# Altium PCB Z693_H93-A_KD01_V1.3_X6.PcbDoc (part 1 of 7) (continued)
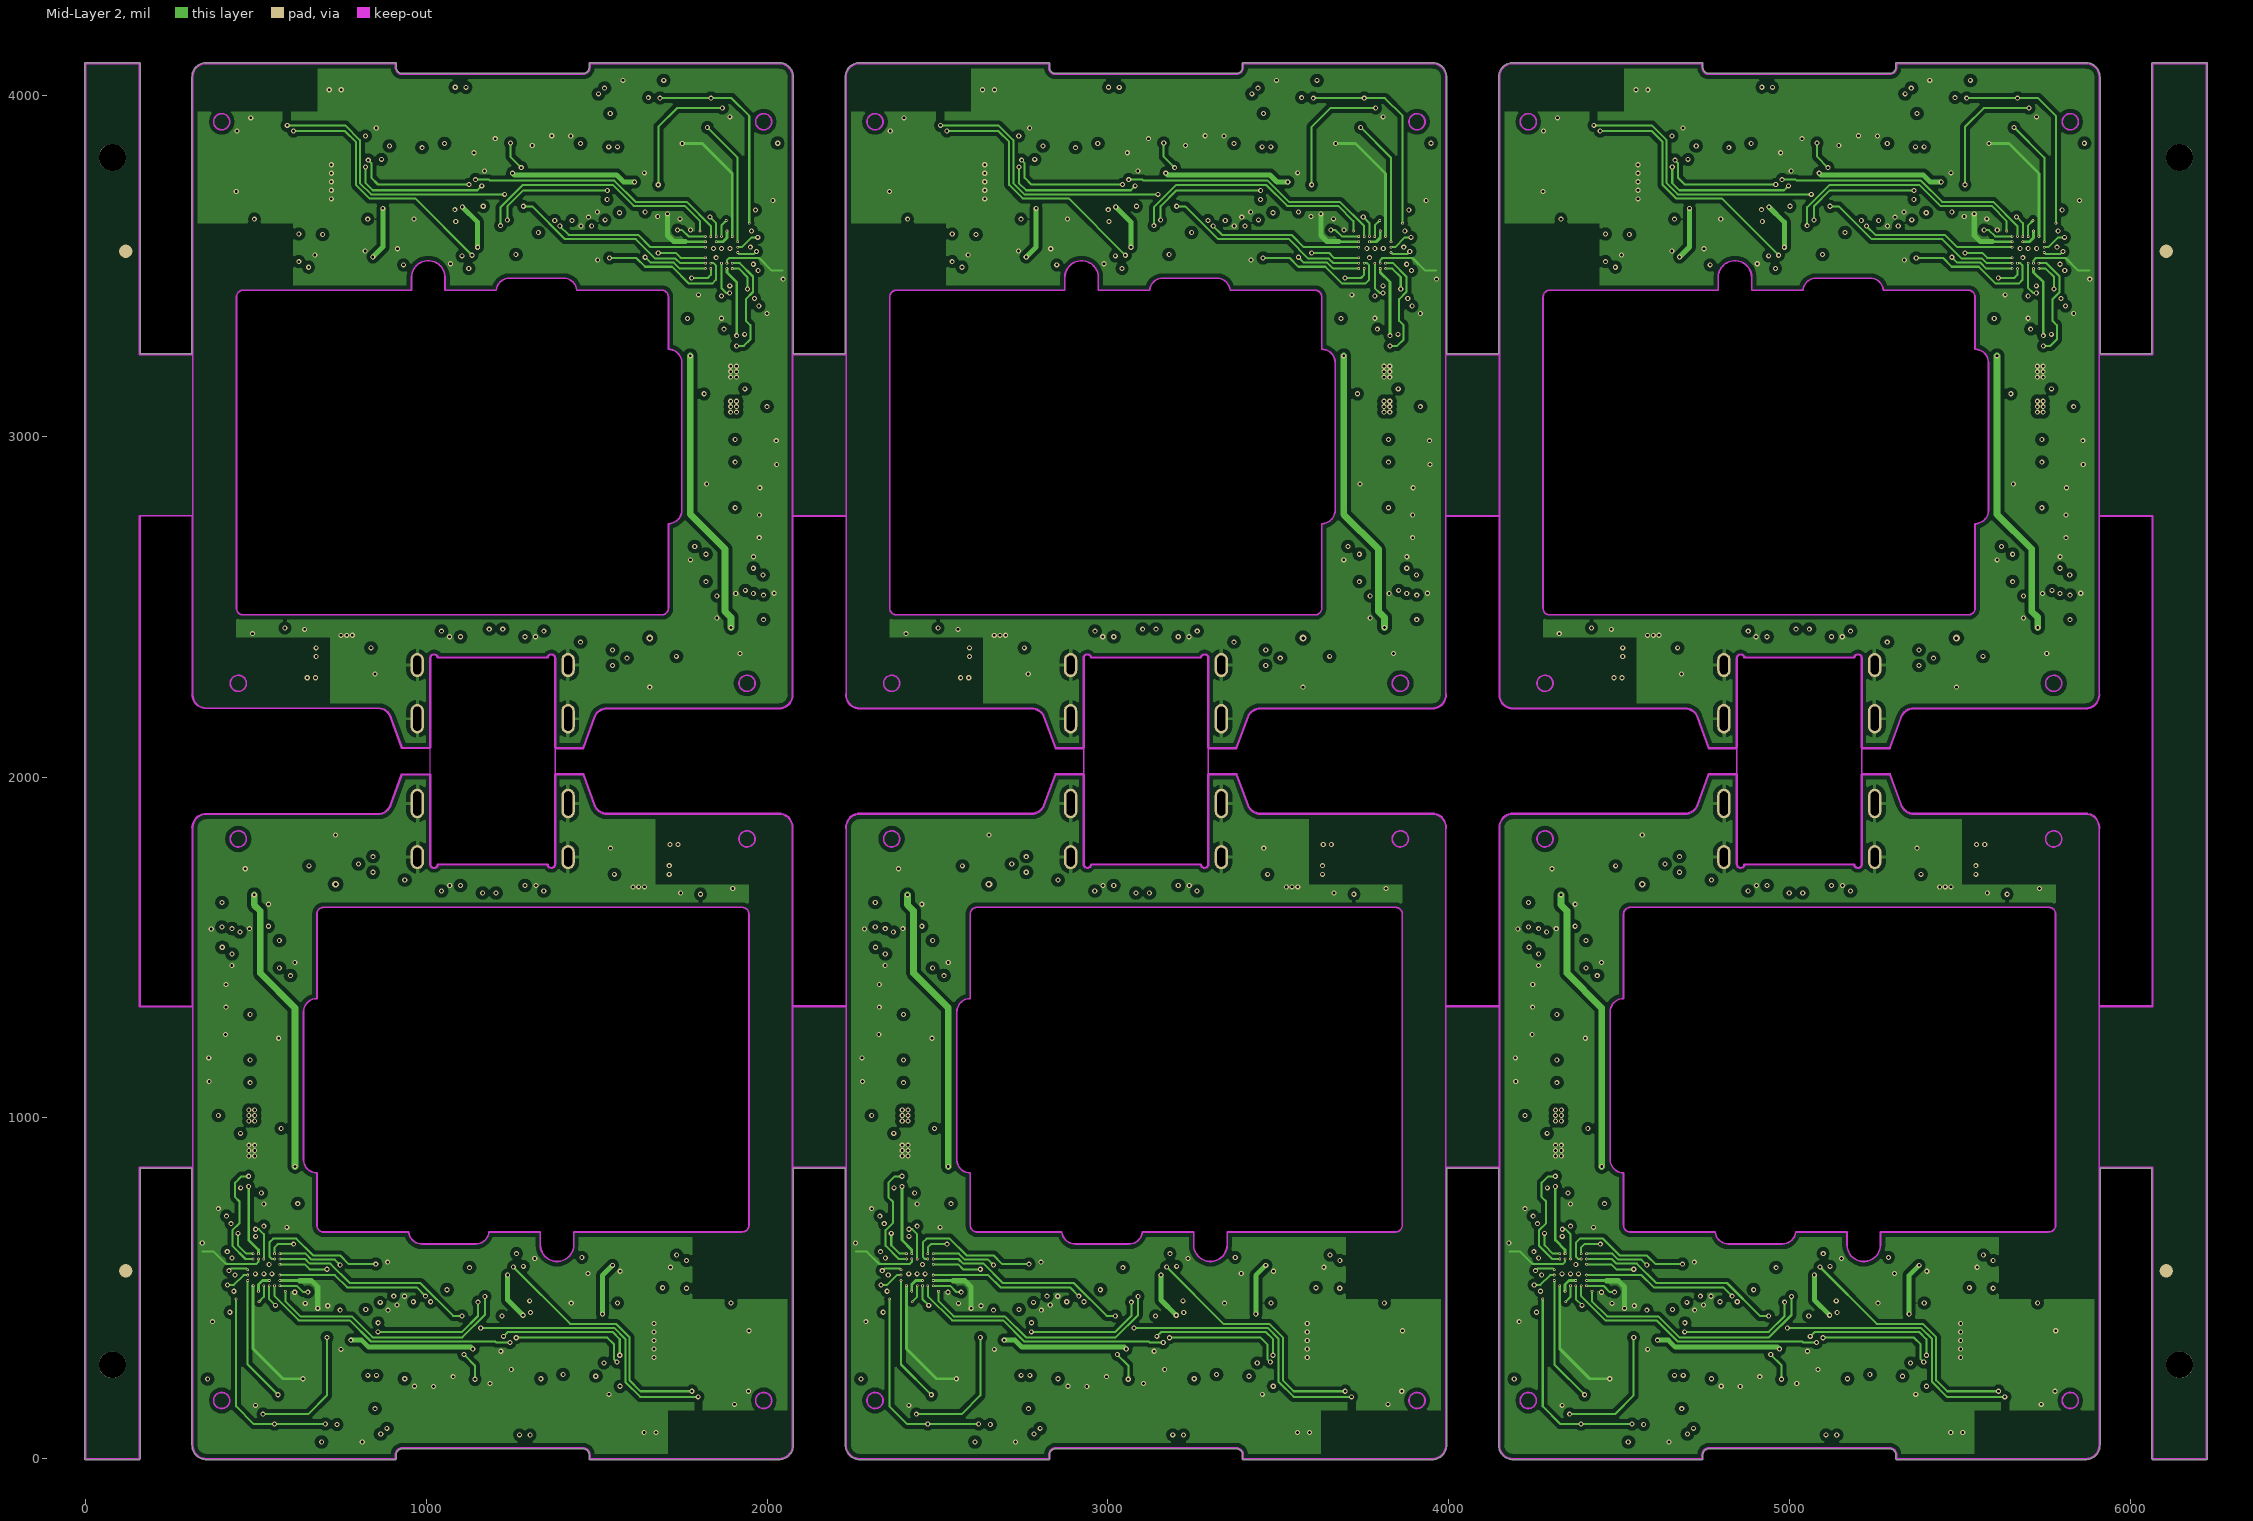
[diagram p3: Mid-Layer 2]

## Layer stack, top to bottom
Top Layer: signal copper 1.4
Dielectric: dielectric 12.6, FR-4, Dk 4.8
Mid-Layer 1: signal copper 1.4
Dielectric: dielectric 12.6, FR-4, Dk 4.8
Mid-Layer 2: signal copper 1.4
Dielectric: dielectric 12.6, FR-4, Dk 4.8
Bottom Layer: signal copper 1.4

## Board outline
157.48,-2.51 ccw(c157.48,0) 160,0 160,851.82 312.45,851.82 312.45,39.37 ccw(c354.33,39.37) 354.33,-2.51 909.45,-2.51 ccw(c909.45,0) 911.96,0 911.96,11.81 cw(c929.13,11.81) 929.13,28.98 1460.63,28.98 cw(c1460.63,11.81) 1477.8,11.81 1477.8,0 ccw(c1480.32,0) 1480.32,-2.51 2035.43,-2.51 ccw(c2035.43,39.37) 2077.32,39.37 2077.32,851.82 2229.77,851.82 2229.77,39.37 ccw(c2271.65,39.37) 2271.65,-2.51 2826.77,-2.51 ccw(c2826.77,0) 2829.29,0 2829.29,11.81 cw(c2846.46,11.81) 2846.46,28.98 3377.95,28.98 cw(c3377.95,11.81) 3395.12,11.81 3395.12,0 ccw(c3397.64,0) 3397.64,-2.51 3952.76,-2.51 ccw(c3952.76,39.37) 3994.64,39.37 3994.64,851.82 4147.09,851.82 4147.09,39.37 ccw(c4188.98,39.37) 4188.98,-2.51 4744.1,-2.51 ccw(c4744.1,0) 4746.61,0 4746.61,11.81 cw(c4763.78,11.81) 4763.78,28.98 5295.28,28.98 cw(c5295.28,11.81) 5312.45,11.81 5312.45,0 ccw(c5314.96,0) 5314.96,-2.51 5870.08,-2.51 ccw(c5870.08,39.37) 5911.97,39.37 5911.97,851.82 6064.42,851.82 6064.42,0 ccw(c6066.93,0) 6066.93,-2.51 6224.41,-2.51 ccw(c6224.41,0) 6226.93,0 6226.93,4094.49 ccw(c6224.41,4094.49) 6224.41,4097.01 6066.93,4097.01 ccw(c6066.93,4094.49) 6064.42,4094.49 6064.42,3242.67 5911.97,3242.67 5911.97,4055.12 ccw(c5870.08,4055.12) 5870.08,4097.01 5314.96,4097.01 ccw(c5314.96,4094.49) 5312.45,4094.49 5312.45,4082.68 cw(c5295.28,4082.68) 5295.28,4065.51 4763.78,4065.51 cw(c4763.78,4082.68) 4746.61,4082.68 4746.61,4094.49 ccw(c4744.1,4094.49) 4744.1,4097.01 4188.98,4097.01 ccw(c4188.98,4055.12) 4147.09,4055.12 4147.09,3242.67 3994.64,3242.67 3994.64,4055.12 ccw(c3952.76,4055.12) 3952.76,4097.01 3397.64,4097.01 ccw(c3397.64,4094.49) 3395.12,4094.49 3395.12,4082.68 cw(c3377.95,4082.68) 3377.95,4065.51 2846.46,4065.51 cw(c2846.46,4082.68) 2829.29,4082.68 2829.29,4094.49 ccw(c2826.77,4094.49) 2826.77,4097.01 2271.65,4097.01 ccw(c2271.65,4055.12) 2229.77,4055.12 2229.77,3242.67 2077.32,3242.67 2077.32,4055.12 ccw(c2035.43,4055.12) 2035.43,4097.01 1480.32,4097.01 ccw(c1480.32,4094.49) 1477.8,4094.49 1477.8,4082.68 cw(c1460.63,4082.68) 1460.63,4065.51 929.13,4065.51 cw(c929.13,4082.68) 911.96,4082.68 911.96,4094.49 ccw(c909.45,4094.49) 909.45,4097.01 354.33,4097.01 ccw(c354.33,4055.12) 312.45,4055.12 312.45,3242.67 160,3242.67 160,4094.49 ccw(c157.48,4094.49) 157.48,4097.01 0,4097.01 ccw(c0,4094.49) -2.51,4094.49 -2.51,0 ccw(c0,0) 0,-2.51
cut-out: 1946.85,1598.43 ccw(c1927.17,1598.43) 1927.17,1618.11 698.82,1618.11 ccw(c698.82,1598.43) 679.13,1598.43 679.13,1350.39 ccw(c679.13,1311.02) 639.76,1311.02 639.76,877.95 ccw(c679.13,877.95) 679.13,838.58 679.13,685.04 ccw(c698.82,685.04) 698.82,665.35 948.03,665.35 ccw(c987.2,669.29) 987.2,629.92 1145.08,629.92 ccw(c1145.08,669.29) 1184.25,665.35 1334.65,665.35 1334.65,627.95 ccw(c1383.86,627.95) 1433.07,627.95 1433.07,665.35 1927.17,665.35 ccw(c1927.17,685.04) 1946.85,685.04
cut-out: 3864.18,1598.43 ccw(c3844.49,1598.43) 3844.49,1618.11 2616.14,1618.11 ccw(c2616.14,1598.43) 2596.46,1598.43 2596.46,1350.39 ccw(c2596.46,1311.02) 2557.09,1311.02 2557.09,877.95 ccw(c2596.46,877.95) 2596.46,838.58 2596.46,685.04 ccw(c2616.14,685.04) 2616.14,665.35 2865.36,665.35 ccw(c2904.53,669.29) 2904.53,629.92 3062.4,629.92 ccw(c3062.4,669.29) 3101.58,665.35 3251.97,665.35 3251.97,627.95 ccw(c3301.18,627.95) 3350.4,627.95 3350.4,665.35 3844.49,665.35 ccw(c3844.49,685.04) 3864.18,685.04
cut-out: 5781.5,1598.43 ccw(c5761.81,1598.43) 5761.81,1618.11 4533.47,1618.11 ccw(c4533.47,1598.43) 4513.78,1598.43 4513.78,1350.39 ccw(c4513.78,1311.02) 4474.41,1311.02 4474.41,877.95 ccw(c4513.78,877.95) 4513.78,838.58 4513.78,685.04 ccw(c4533.47,685.04) 4533.47,665.35 4782.68,665.35 ccw(c4821.85,669.29) 4821.85,629.92 4979.73,629.92 ccw(c4979.73,669.29) 5018.9,665.35 5169.29,665.35 5169.29,627.95 ccw(c5218.51,627.95) 5267.72,627.95 5267.72,665.35 5761.81,665.35 ccw(c5761.81,685.04) 5781.5,685.04
cut-out: 4277.56,2496.06 ccw(c4297.25,2496.06) 4297.25,2476.38 5525.59,2476.38 ccw(c5525.59,2496.06) 5545.28,2496.06 5545.28,2744.1 ccw(c5545.28,2783.47) 5584.65,2783.47 5584.65,3216.54 ccw(c5545.28,3216.54) 5545.28,3255.91 5545.28,3409.45 ccw(c5525.59,3409.45) 5525.59,3429.14 5276.38,3429.14 ccw(c5237.21,3425.2) 5237.21,3464.57 5079.33,3464.57 ccw(c5079.33,3425.2) 5040.16,3429.14 4889.77,3429.14 4889.77,3466.54 ccw(c4840.55,3466.54) 4791.34,3466.54 4791.34,3429.14 4297.25,3429.14 ccw(c4297.25,3409.45) 4277.56,3409.45
cut-out: 2360.24,2496.06 ccw(c2379.92,2496.06) 2379.92,2476.38 3608.27,2476.38 ccw(c3608.27,2496.06) 3627.95,2496.06 3627.95,2744.1 ccw(c3627.95,2783.47) 3667.32,2783.47 3667.32,3216.54 ccw(c3627.95,3216.54) 3627.95,3255.91 3627.95,3409.45 ccw(c3608.27,3409.45) 3608.27,3429.14 3359.06,3429.14 ccw(c3319.88,3425.2) 3319.88,3464.57 3162.01,3464.57 ccw(c3162.01,3425.2) 3122.84,3429.14 2972.44,3429.14 2972.44,3466.54 ccw(c2923.23,3466.54) 2874.02,3466.54 2874.02,3429.14 2379.92,3429.14 ccw(c2379.92,3409.45) 2360.24,3409.45
cut-out: 442.91,2496.06 ccw(c462.6,2496.06) 462.6,2476.38 1690.95,2476.38 ccw(c1690.95,2496.06) 1710.63,2496.06 1710.63,2744.1 ccw(c1710.63,2783.47) 1750,2783.47 1750,3216.54 ccw(c1710.63,3216.54) 1710.63,3255.91 1710.63,3409.45 ccw(c1690.95,3409.45) 1690.95,3429.14 1441.73,3429.14 ccw(c1402.56,3425.2) 1402.56,3464.57 1244.69,3464.57 ccw(c1244.69,3425.2) 1205.51,3429.14 1055.12,3429.14 1055.12,3466.54 ccw(c1005.91,3466.54) 956.69,3466.54 956.69,3429.14 462.6,3429.14 ccw(c462.6,3409.45) 442.91,3409.45
cut-out: 2927.8,1744.1 2927.8,2007.88 cw(c2930.32,2007.88) 2928.8,2009.88 2928.8,2084.61 cw(c2930.32,2086.62) 2927.8,2086.62 2927.8,2350.4 cw(c2940.16,2350.4) 2952.26,2352.91 3272.15,2352.91 cw(c3284.25,2350.4) 3296.61,2350.4 3296.61,2086.62 cw(c3294.1,2086.62) 3295.61,2084.61 3295.61,2009.88 cw(c3294.1,2007.88) 3296.61,2007.88 3296.61,1744.1 cw(c3284.25,1744.1) 3272.15,1741.58 2952.26,1741.58 cw(c2940.16,1744.1)
cut-out: 160,1329.29 313.45,1329.29 313.45,1850.36 cw(c314.96,1852.36) 312.45,1852.36 cw(c354.33,1852.36) 354.33,1894.25 859.29,1894.25 ccw(c859.29,1931.1) 893.93,1918.5 893.93,1918.51 926.77,2008.73 cw(c929.13,2007.88) 926.77,2008.74 cw(c929.13,2007.88) 929.13,2010.39 1011.48,2010.39 1011.48,2084.1 929.13,2084.1 cw(c929.13,2086.62) 926.77,2085.75 cw(c929.13,2086.62) 926.77,2085.76 893.93,2175.98 893.93,2175.99 ccw(c859.29,2163.39) 859.29,2200.24 354.33,2200.24 cw(c354.33,2242.13) 312.45,2242.13 cw(c314.96,2242.13) 313.45,2244.13 313.45,2765.2 160,2765.2
cut-out: 6064.42,1329.29 5910.97,1329.29 5910.97,1850.36 ccw(c5909.45,1852.36) 5911.97,1852.36 ccw(c5870.08,1852.36) 5870.08,1894.25 5365.12,1894.25 cw(c5365.12,1931.1) 5330.49,1918.5 5330.48,1918.51 5297.65,2008.73 ccw(c5295.28,2007.88) 5297.64,2008.74 ccw(c5295.28,2007.88) 5295.28,2010.39 5212.94,2010.39 5212.94,2084.1 5295.28,2084.1 ccw(c5295.28,2086.62) 5297.64,2085.75 ccw(c5295.28,2086.62) 5297.65,2085.76 5330.48,2175.98 5330.49,2175.99 cw(c5365.12,2163.39) 5365.12,2200.24 5870.08,2200.24 ccw(c5870.08,2242.13) 5911.97,2242.13 ccw(c5909.45,2242.13) 5910.97,2244.13 5910.97,2765.2 6064.42,2765.2
cut-out: 3413.16,1918.51 3380.32,2008.73 ccw(c3377.95,2007.88) 3380.31,2008.74 ccw(c3377.95,2007.88) 3377.95,2010.39 3295.61,2010.39 3295.61,2084.1 3377.95,2084.1 ccw(c3377.95,2086.62) 3380.31,2085.75 ccw(c3377.95,2086.62) 3380.32,2085.76 3413.16,2175.98 3413.16,2175.99 cw(c3447.79,2163.39) 3447.79,2200.24 3952.76,2200.24 ccw(c3952.76,2242.13) 3994.64,2242.13 ccw(c3992.13,2242.13) 3993.64,2244.13 3993.64,2765.2 4148.09,2765.2 4148.09,2244.13 ccw(c4149.61,2242.13) 4147.09,2242.13 ccw(c4188.98,2242.13) 4188.98,2200.24 4693.94,2200.24 cw(c4693.94,2163.39) 4728.58,2175.99 4728.58,2175.98 4761.42,2085.76 ccw(c4763.78,2086.62) 4761.42,2085.75 ccw(c4763.78,2086.62) 4763.78,2084.1 4846.13,2084.1 4846.13,2010.39 4763.78,2010.39 ccw(c4763.78,2007.88) 4761.42,2008.74 ccw(c4763.78,2007.88) 4761.42,2008.73 4728.58,1918.51 4728.58,1918.5 cw(c4693.94,1931.1) 4693.94,1894.25 4188.98,1894.25 ccw(c4188.98,1852.36) 4147.09,1852.36 ccw(c4149.61,1852.36) 4148.09,1850.36 4148.09,1329.29 3993.64,1329.29 3993.64,1850.36 ccw(c3992.13,1852.36) 3994.64,1852.36 ccw(c3952.76,1852.36) 3952.76,1894.25 3447.79,1894.25 cw(c3447.79,1931.1)
cut-out: 1495.83,1918.51 1463,2008.73 ccw(c1460.63,2007.88) 1462.99,2008.74 ccw(c1460.63,2007.88) 1460.63,2010.39 1378.29,2010.39 1378.29,2084.1 1460.63,2084.1 ccw(c1460.63,2086.62) 1462.99,2085.75 ccw(c1460.63,2086.62) 1463,2085.76 1495.83,2175.98 1495.84,2175.99 cw(c1530.47,2163.39) 1530.47,2200.24 2035.43,2200.24 ccw(c2035.43,2242.13) 2077.32,2242.13 ccw(c2074.8,2242.13) 2076.32,2244.13 2076.32,2765.2 2230.77,2765.2 2230.77,2244.13 ccw(c2232.28,2242.13) 2229.77,2242.13 ccw(c2271.65,2242.13) 2271.65,2200.24 2776.62,2200.24 cw(c2776.62,2163.39) 2811.25,2175.99 2811.25,2175.98 2844.09,2085.76 ccw(c2846.46,2086.62) 2844.1,2085.75 ccw(c2846.46,2086.62) 2846.46,2084.1 2928.8,2084.1 2928.8,2010.39 2846.46,2010.39 ccw(c2846.46,2007.88) 2844.1,2008.74 ccw(c2846.46,2007.88) 2844.09,2008.73 2811.25,1918.51 2811.25,1918.5 cw(c2776.62,1931.1) 2776.62,1894.25 2271.65,1894.25 ccw(c2271.65,1852.36) 2229.77,1852.36 ccw(c2232.28,1852.36) 2230.77,1850.36 2230.77,1329.29 2076.32,1329.29 2076.32,1850.36 ccw(c2074.8,1852.36) 2077.32,1852.36 ccw(c2035.43,1852.36) 2035.43,1894.25 1530.47,1894.25 cw(c1530.47,1931.1)
cut-out: 1010.48,1744.1 1010.48,2007.88 cw(c1012.99,2007.88) 1011.48,2009.88 1011.48,2084.61 cw(c1012.99,2086.62) 1010.48,2086.62 1010.48,2350.4 cw(c1022.84,2350.4) 1034.93,2352.91 1354.83,2352.91 cw(c1366.93,2350.4) 1379.29,2350.4 1379.29,2086.62 cw(c1376.77,2086.62) 1378.29,2084.61 1378.29,2009.88 cw(c1376.77,2007.88) 1379.29,2007.88 1379.29,1744.1 cw(c1366.93,1744.1) 1354.83,1741.58 1034.93,1741.58 cw(c1022.84,1744.1)
cut-out: 4845.13,1744.1 4845.13,2007.88 cw(c4847.64,2007.88) 4846.13,2009.88 4846.13,2084.61 cw(c4847.64,2086.62) 4845.13,2086.62 4845.13,2350.4 cw(c4857.48,2350.4) 4869.58,2352.91 5189.48,2352.91 cw(c5201.58,2350.4) 5213.94,2350.4 5213.94,2086.62 cw(c5211.42,2086.62) 5212.94,2084.61 5212.94,2009.88 cw(c5211.42,2007.88) 5213.94,2007.88 5213.94,1744.1 cw(c5201.58,1744.1) 5189.48,1741.58 4869.58,1741.58 cw(c4857.48,1744.1)

## Design rules (kind name [scope] priority, off if disabled: settings)
Clearance Clearance_1 [InPolygon] p1: gap=15
Clearance [All] p2: gap=3
ComponentClearance [All] p1: gap=0 collisioncheckmode=3 verticalgap=0 showdistances=FALSE
HoleSize [All] p1: absolutevalues=TRUE maxlimit=200 minlimit=1 maxpercent=80.000 minpercent=20.000
HoleToHoleClearance [All] p1: gap=0 allowstackedmicrovias=TRUE
MinimumSolderMaskSliver [All] p1: minsoldermaskwidth=0
PolygonConnect PolygonConnect_1 [ISVIA] p1: connectstyle=Direct reliefconductorwidth=10 reliefentries=4 polygonreliefangle="90 Angle"
PolygonConnect [All] p2: connectstyle=Relief reliefconductorwidth=10 reliefentries=4 polygonreliefangle="90 Angle"
RoutingVias [All] p1: holewidth=15 width=25 viastyle="Through Hole" minholewidth=6 minwidth=12 maxholewidth=28 maxwidth=50
SilkToSilkClearance [All] p1: silktosilkclearance=0
SilkscreenOverComponentPads SilkToSolderMaskClearance [IsPad] p1: minsilkscreentomaskgap=0
SolderMaskExpansion [All] p1: expansion=4
Width [All] p1: maxlimit=100 minlimit=3 preferedwidth=5 toplayer_prefwidth=3 midlayer1_minwidth=5 midlayer2_minwidth=5 bottomlayer_prefwidth=3 minimp=50.000000 maximp=50.000000 favimp=50.000000
22 further rules are at their usual default settings.

## Classes and differential pairs
component class V020_GG05_V1.4_MCU: C1 C2 C3 C4 C5 C6 C7 C8 C9 C10 C11 C12 C13 C14 C15 DCLK DSIO DST2 GND GND2 R1 R2 R3 RST U1 V020_GG05_V1.4 VE1 VE2 VE3 VE4 VE5 VEPD VPP Y1 Y2
component class V020_GG05_V1.4_PERI: A1 A2 B1 C16 C17 C18 C19 C20 D1 D2 D_IN D_OUT EPD1 LCD_TEST1 LCD_TEST2 LCD_TEST3 LCD_TEST4 LCD_TEST5 LCD_TEST6 LCD_TEST7 LCD_TEST8 LCD_TEST9 LCD_TEST10 LCD_TEST11 LCD_TEST12 LCD_TEST13 LCD_TEST14 LCD_TEST15 LCD_TEST16 LCD_TEST17 LCD_TEST18 LCD_TEST19 LCD_TEST20 LCD_TEST21 LCD_TEST22 LCD_TEST23 LCD_TEST24 LCD_TEST25 LCD_TEST26 LCD_TEST27 LCD_TEST28 LCD_TEST29 LCD_TEST30 LCD_TEST31 LCD_TEST32 LCD_TEST33 LCD_TEST34 LCD_TEST35 LCD_TEST36 LCD_TEST37 LCD_TEST38 LCD_TEST39 LCD_TEST40 LCD_TEST41 LCD_TEST42 LCD_TEST43 LCD_TEST44 LCD_TEST45 Q1 R4 R5 R6 R7 R8 S1

## Components (designator, comment, footprint, x,y, rotation, side; value= is the part's Value field where it differs from the comment)
3V3 "" FT_TEST_1#1 353.39,909 r270 top
3V3 "" FT_TEST_1#1 2270.72,909 r270 top
3V3 "" FT_TEST_1#1 4188.04,909 r270 top
3V3 "" FT_TEST_1#1 5871.02,3185.49 r90 top
3V3 "" FT_TEST_1#1 3953.69,3185.49 r90 top
3V3 "" FT_TEST_1#1 2036.37,3185.49 r90 top
3V3_HS "" FT_TEST_1#1 650.62,59.56 r270 top
3V3_HS "" FT_TEST_1#1 2567.95,59.56 r270 top
3V3_HS "" FT_TEST_1#1 4485.27,59.56 r270 top
3V3_HS "" FT_TEST_1#1 5573.79,4034.93 r90 top
3V3_HS "" FT_TEST_1#1 3656.47,4034.93 r90 top
3V3_HS "" FT_TEST_1#1 1739.14,4034.93 r90 top
B+ "" FT_TEST_1#1 353.39,987.74 r180 top
B+ "" FT_TEST_1#1 2270.72,987.74 r180 top
B+ "" FT_TEST_1#1 4188.04,987.74 r180 top
B+ "" FT_TEST_1#1 5871.02,3106.75 r0 top
B+ "" FT_TEST_1#1 3953.69,3106.75 r0 top
B+ "" FT_TEST_1#1 2036.37,3106.75 r0 top
Battery "100mAh" FT_CELL 479.39,997.06 r270 bottom locked
Battery "100mAh" FT_CELL 2396.72,997.06 r270 bottom locked
Battery "100mAh" FT_CELL 4314.04,997.06 r270 bottom locked
Battery "100mAh" FT_CELL 5745.02,3097.43 r90 bottom locked
Battery "100mAh" FT_CELL 3827.69,3097.43 r90 bottom locked
Battery "100mAh" FT_CELL 1910.37,3097.43 r90 bottom locked
BOT0 "" FT_TEST_1#1 353.39,436.56 r180 top
BOT0 "" FT_TEST_1#1 2270.72,436.56 r180 top
BOT0 "" FT_TEST_1#1 4188.04,436.56 r180 top
BOT0 "" FT_TEST_1#1 5871.02,3657.93 r0 top
BOT0 "" FT_TEST_1#1 3953.69,3657.93 r0 top
BOT0 "" FT_TEST_1#1 2036.37,3657.93 r0 top
BOT1 "" FT_TEST_1#1 353.39,279.08 r180 top
BOT1 "" FT_TEST_1#1 2270.72,279.08 r180 top
BOT1 "" FT_TEST_1#1 4188.04,279.08 r180 top
BOT1 "" FT_TEST_1#1 5871.02,3815.41 r0 top
BOT1 "" FT_TEST_1#1 3953.69,3815.41 r0 top
BOT1 "" FT_TEST_1#1 2036.37,3815.41 r0 top
C1 "0.1uF" FT_0201_电容 494.92,1676.7 r90 bottom
C1 "0.1uF" FT_0201_电容 2412.25,1676.7 r90 bottom
C1 "0.1uF" FT_0201_电容 4329.57,1676.7 r90 bottom
C1 "0.1uF" FT_0201_电容 5729.49,2417.79 r270 bottom
C1 "0.1uF" FT_0201_电容 3812.17,2417.79 r270 bottom
C1 "0.1uF" FT_0201_电容 1894.84,2417.79 r270 bottom
C2 "1uF" FT_0201_电容 468.8,1676.7 r90 bottom
C2 "1uF" FT_0201_电容 2386.13,1676.7 r90 bottom
C2 "1uF" FT_0201_电容 4303.45,1676.7 r90 bottom
C2 "1uF" FT_0201_电容 5755.61,2417.79 r270 bottom
C2 "1uF" FT_0201_电容 3838.28,2417.79 r270 bottom
C2 "1uF" FT_0201_电容 1920.96,2417.79 r270 bottom
C3 "1uF" FT_0201_电容 537.01,1582.58 r90 bottom
C3 "1uF" FT_0201_电容 2454.33,1582.58 r90 bottom
C3 "1uF" FT_0201_电容 4371.66,1582.58 r90 bottom
C3 "1uF" FT_0201_电容 5687.4,2511.91 r270 bottom
C3 "1uF" FT_0201_电容 3770.08,2511.91 r270 bottom
C3 "1uF" FT_0201_电容 1852.76,2511.91 r270 bottom
C4 "12p" FT_0201_电容 567.27,384.59 r180 bottom
C4 "12p" FT_0201_电容 2484.59,384.59 r180 bottom
C4 "12p" FT_0201_电容 4401.92,384.59 r180 bottom
C4 "12p" FT_0201_电容 5657.14,3709.9 r0 bottom
C4 "12p" FT_0201_电容 3739.82,3709.9 r0 bottom
C4 "12p" FT_0201_电容 1822.5,3709.9 r0 bottom
C5 "12p" FT_0201_电容 520.27,384.59 r180 bottom
C5 "12p" FT_0201_电容 2437.59,384.59 r180 bottom
C5 "12p" FT_0201_电容 4354.92,384.59 r180 bottom
C5 "12p" FT_0201_电容 5704.14,3709.9 r0 bottom
C5 "12p" FT_0201_电容 3786.82,3709.9 r0 bottom
C5 "12p" FT_0201_电容 1869.5,3709.9 r0 bottom
C6 "100n" FT_0201_电容 496.65,409.97 r90 bottom
C6 "100n" FT_0201_电容 2413.97,409.97 r90 bottom
C6 "100n" FT_0201_电容 4331.29,409.97 r90 bottom
C6 "100n" FT_0201_电容 5727.77,3684.52 r270 bottom
C6 "100n" FT_0201_电容 3810.44,3684.52 r270 bottom
C6 "100n" FT_0201_电容 1893.12,3684.52 r270 bottom
C7 "2u2" FT_0201_电容 447.26,725.28 r270 bottom
C7 "2u2" FT_0201_电容 2364.58,725.28 r270 bottom
C7 "2u2" FT_0201_电容 4281.91,725.28 r270 bottom
C7 "2u2" FT_0201_电容 5777.15,3369.21 r90 bottom
C7 "2u2" FT_0201_电容 3859.83,3369.21 r90 bottom
C7 "2u2" FT_0201_电容 1942.5,3369.21 r90 bottom
C8 "2u2" FT_0201_电容 651.25,586.1 r180 bottom
C8 "2u2" FT_0201_电容 2568.58,586.1 r180 bottom
C8 "2u2" FT_0201_电容 4485.9,586.1 r180 bottom
C8 "2u2" FT_0201_电容 5573.16,3508.4 r0 bottom
C8 "2u2" FT_0201_电容 3655.84,3508.4 r0 bottom
C8 "2u2" FT_0201_电容 1738.51,3508.4 r0 bottom
C9 "1uF" FT_0201_电容 609.89,1520.62 r180 bottom
C9 "1uF" FT_0201_电容 2527.21,1520.62 r180 bottom
C9 "1uF" FT_0201_电容 4444.54,1520.62 r180 bottom
C9 "1uF" FT_0201_电容 5614.52,2573.87 r0 bottom
C9 "1uF" FT_0201_电容 3697.2,2573.87 r0 bottom
C9 "1uF" FT_0201_电容 1779.87,2573.87 r0 bottom
C10 "1uF" FT_0201_电容 386.89,1535.62 r0 bottom
C10 "1uF" FT_0201_电容 2304.21,1535.62 r0 bottom
C10 "1uF" FT_0201_电容 4221.54,1535.62 r0 bottom
C10 "1uF" FT_0201_电容 5837.52,2558.87 r180 bottom
C10 "1uF" FT_0201_电容 3920.2,2558.87 r180 bottom
C10 "1uF" FT_0201_电容 2002.87,2558.87 r180 bottom
C11 "100n" FT_0201_电容 396.26,445.1 r180 bottom
C11 "100n" FT_0201_电容 2313.58,445.1 r180 bottom
C11 "100n" FT_0201_电容 4230.91,445.1 r180 bottom
C11 "100n" FT_0201_电容 5828.15,3649.4 r0 bottom
C11 "100n" FT_0201_电容 3910.83,3649.4 r0 bottom
C11 "100n" FT_0201_电容 1993.5,3649.4 r0 bottom
C12 "100n" FT_0201_电容 523.26,725.28 r270 bottom
C12 "100n" FT_0201_电容 2440.58,725.28 r270 bottom
C12 "100n" FT_0201_电容 4357.91,725.28 r270 bottom
C12 "100n" FT_0201_电容 5701.15,3369.21 r90 bottom
C12 "100n" FT_0201_电容 3783.83,3369.21 r90 bottom
C12 "100n" FT_0201_电容 1866.5,3369.21 r90 bottom
C13 "100n" FT_0201_电容 372.64,492.36 r0 bottom
C13 "100n" FT_0201_电容 2289.96,492.36 r0 bottom
C13 "100n" FT_0201_电容 4207.29,492.36 r0 bottom
C13 "100n" FT_0201_电容 5851.77,3602.14 r180 bottom
C13 "100n" FT_0201_电容 3934.45,3602.14 r180 bottom
C13 "100n" FT_0201_电容 2017.13,3602.14 r180 bottom
C14 "100n" FT_0201_电容 372.64,469.1 r0 bottom
C14 "100n" FT_0201_电容 2289.96,469.1 r0 bottom
C14 "100n" FT_0201_电容 4207.29,469.1 r0 bottom
C14 "100n" FT_0201_电容 5851.77,3625.4 r180 bottom
C14 "100n" FT_0201_电容 3934.45,3625.4 r180 bottom
C14 "100n" FT_0201_电容 2017.13,3625.4 r180 bottom
C15 "100n" FT_0201_电容 546.85,725.28 r270 bottom
C15 "100n" FT_0201_电容 2464.17,725.28 r270 bottom
C15 "100n" FT_0201_电容 4381.5,725.28 r270 bottom
C15 "100n" FT_0201_电容 5677.56,3369.21 r90 bottom
C15 "100n" FT_0201_电容 3760.24,3369.21 r90 bottom
C15 "100n" FT_0201_电容 1842.91,3369.21 r90 bottom
C16 "100n" FT_0201_电容 372.64,421.81 r0 bottom
C16 "100n" FT_0201_电容 2289.96,421.81 r0 bottom
C16 "100n" FT_0201_电容 4207.29,421.81 r0 bottom
C16 "100n" FT_0201_电容 5851.77,3672.68 r180 bottom
C16 "100n" FT_0201_电容 3934.45,3672.68 r180 bottom
C16 "100n" FT_0201_电容 2017.13,3672.68 r180 bottom
C17 "0.1uF" FT_0201_电容 787.74,72.93 r180 bottom
C17 "0.1uF" FT_0201_电容 2705.06,72.93 r180 bottom
C17 "0.1uF" FT_0201_电容 4622.39,72.93 r180 bottom
C17 "0.1uF" FT_0201_电容 5436.67,4021.56 r0 bottom
C17 "0.1uF" FT_0201_电容 3519.35,4021.56 r0 bottom
C17 "0.1uF" FT_0201_电容 1602.03,4021.56 r0 bottom
C18 "22pF" FT_0201_电容 1647.26,530.1 r180 bottom
C18 "22pF" FT_0201_电容 3564.58,530.1 r180 bottom
C18 "22pF" FT_0201_电容 5481.91,530.1 r180 bottom
C18 "22pF" FT_0201_电容 4577.15,3564.4 r0 bottom
C18 "22pF" FT_0201_电容 2659.83,3564.4 r0 bottom
C18 "22pF" FT_0201_电容 742.5,3564.4 r0 bottom
C19 "1uF" FT_0201_电容 1497.47,323.1 r0 bottom
C19 "1uF" FT_0201_电容 3414.8,323.1 r0 bottom
C19 "1uF" FT_0201_电容 5332.12,323.1 r0 bottom
C19 "1uF" FT_0201_电容 4726.94,3771.4 r180 bottom
C19 "1uF" FT_0201_电容 2809.62,3771.4 r180 bottom
C19 "1uF" FT_0201_电容 892.29,3771.4 r180 bottom
C20 "1uF/16V" FT_0201_电容 387.45,1480.91 r0 bottom
C20 "1uF/16V" FT_0201_电容 2304.77,1480.91 r0 bottom
C20 "1uF/16V" FT_0201_电容 4222.1,1480.91 r0 bottom
C20 "1uF/16V" FT_0201_电容 5836.96,2613.58 r180 bottom
C20 "1uF/16V" FT_0201_电容 3919.64,2613.58 r180 bottom
C20 "1uF/16V" FT_0201_电容 2002.32,2613.58 r180 bottom
C21 "22pF" FT_0201_电容 1674.26,530.1 r0 bottom
C21 "22pF" FT_0201_电容 3591.58,530.1 r0 bottom
C21 "22pF" FT_0201_电容 5508.91,530.1 r0 bottom
C21 "22pF" FT_0201_电容 4550.15,3564.4 r180 bottom
C21 "22pF" FT_0201_电容 2632.83,3564.4 r180 bottom
C21 "22pF" FT_0201_电容 715.5,3564.4 r180 bottom
C22 "4.7uF" FT_0402_C_3D 1510.17,456.71 r180 bottom
C22 "4.7uF" FT_0402_C_3D 3427.49,456.71 r180 bottom
C22 "4.7uF" FT_0402_C_3D 5344.81,456.71 r180 bottom
C22 "4.7uF" FT_0402_C_3D 4714.25,3637.78 r0 bottom
C22 "4.7uF" FT_0402_C_3D 2796.92,3637.78 r0 bottom
C22 "4.7uF" FT_0402_C_3D 879.6,3637.78 r0 bottom
C23 "1uF" FT_0201_电容 1547.88,505.56 r90 bottom
C23 "1uF" FT_0201_电容 3465.21,505.56 r90 bottom
C23 "1uF" FT_0201_电容 5382.53,505.56 r90 bottom
C23 "1uF" FT_0201_电容 4676.53,3588.93 r270 bottom
C23 "1uF" FT_0201_电容 2759.21,3588.93 r270 bottom
C23 "1uF" FT_0201_电容 841.88,3588.93 r270 bottom
C24 "12pF" FT_0201_电容 1589.77,127.64 r90 bottom
C24 "12pF" FT_0201_电容 3507.09,127.64 r90 bottom
C24 "12pF" FT_0201_电容 5424.42,127.64 r90 bottom
C24 "12pF" FT_0201_电容 4634.64,3966.85 r270 bottom
C24 "12pF" FT_0201_电容 2717.32,3966.85 r270 bottom
C24 "12pF" FT_0201_电容 800,3966.85 r270 bottom
C25 "0.1uF" FT_0201_电容 1492.88,212.56 r270 bottom
C25 "0.1uF" FT_0201_电容 3410.21,212.56 r270 bottom
C25 "0.1uF" FT_0201_电容 5327.53,212.56 r270 bottom
C25 "0.1uF" FT_0201_电容 4731.53,3881.93 r90 bottom
C25 "0.1uF" FT_0201_电容 2814.21,3881.93 r90 bottom